# Altium PCB EBAZ4205扩展.PcbDoc (part 1 of 3)
Units mm, origin at the board's own origin, x right, y up, seen from the top; angles counter-clockwise.
Board outline 49.66 x 100.01 mm, 4 copper layers (Top Layer, Power1, Power2, Bottom Layer), stack 0.567 mm thick; 110 components, 105 nets, 505 pads, 287 vias.
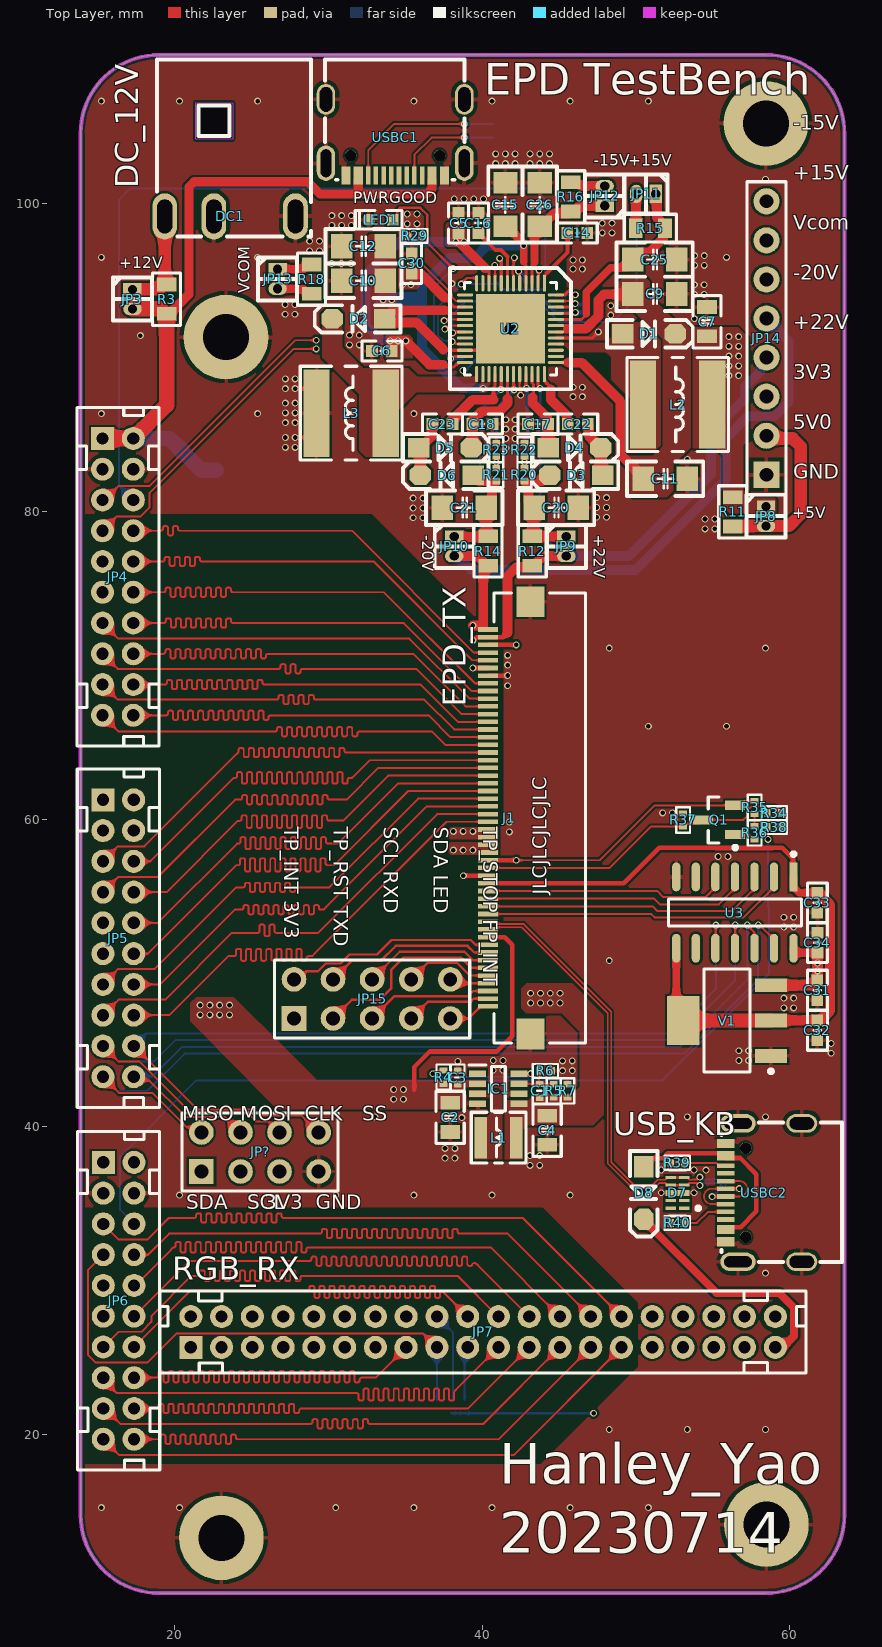
[diagram p0: Top Layer view]
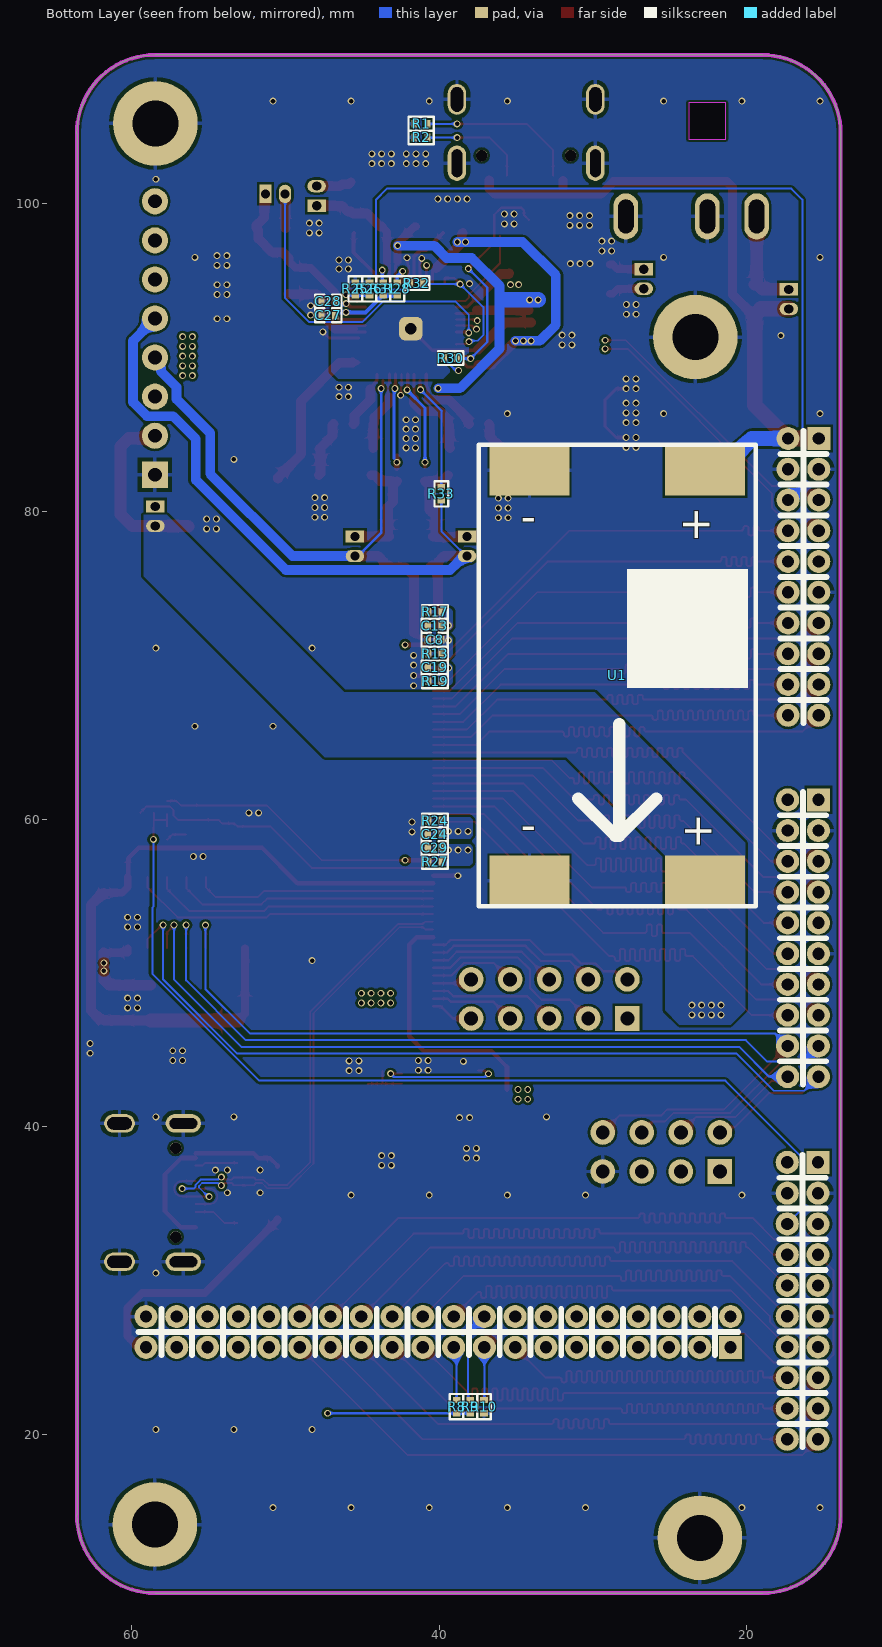
[diagram p1: Bottom Layer view, seen from below]
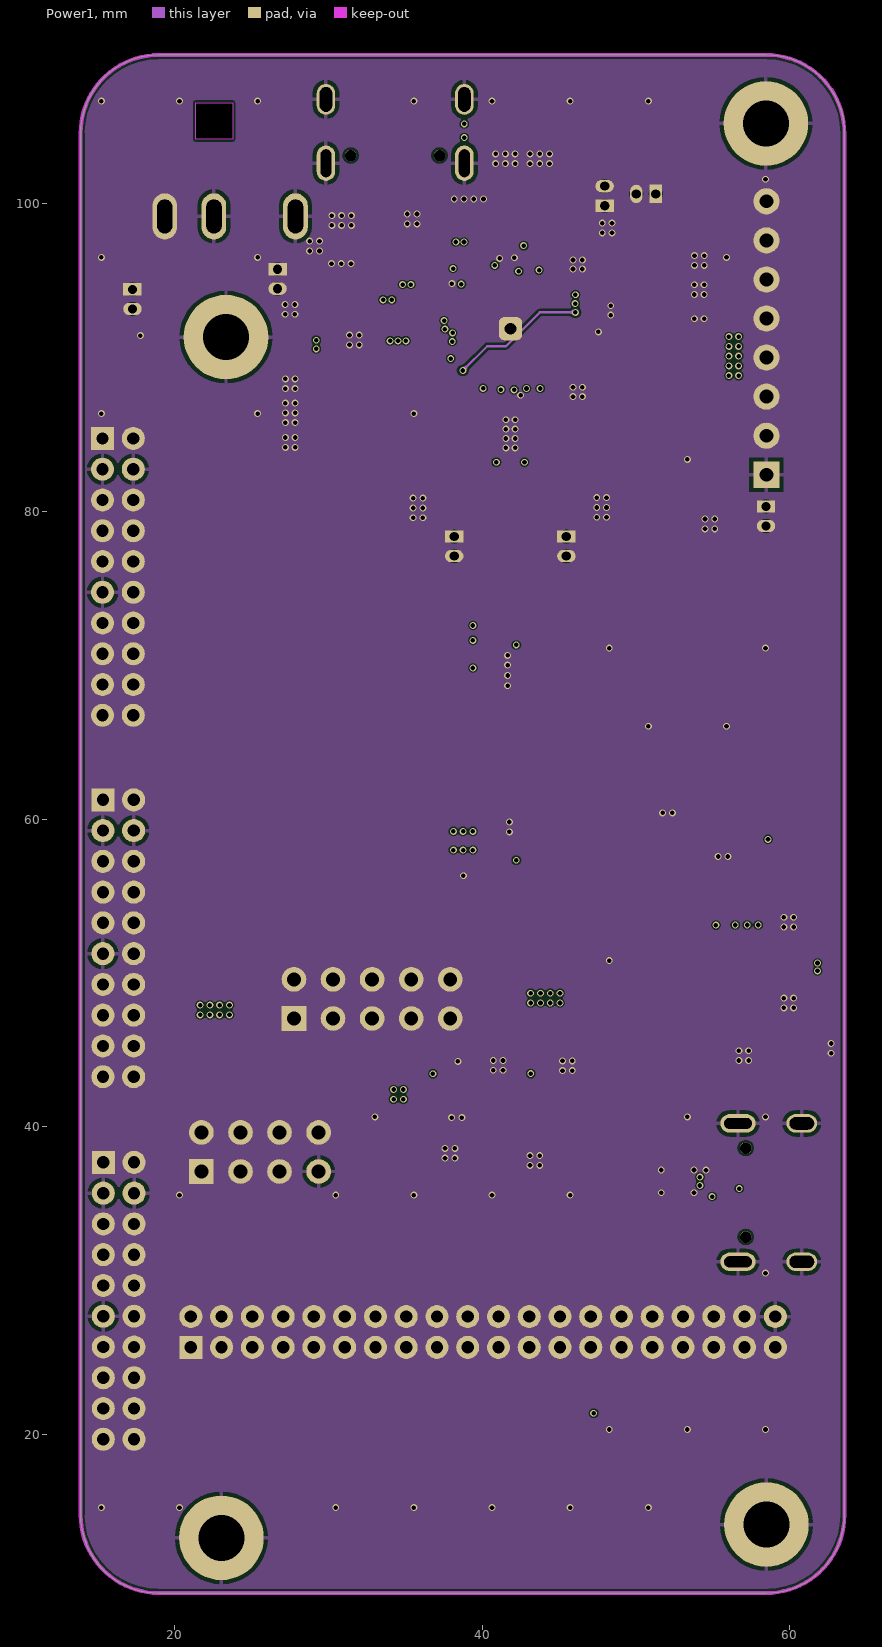
[diagram p2: Power1]
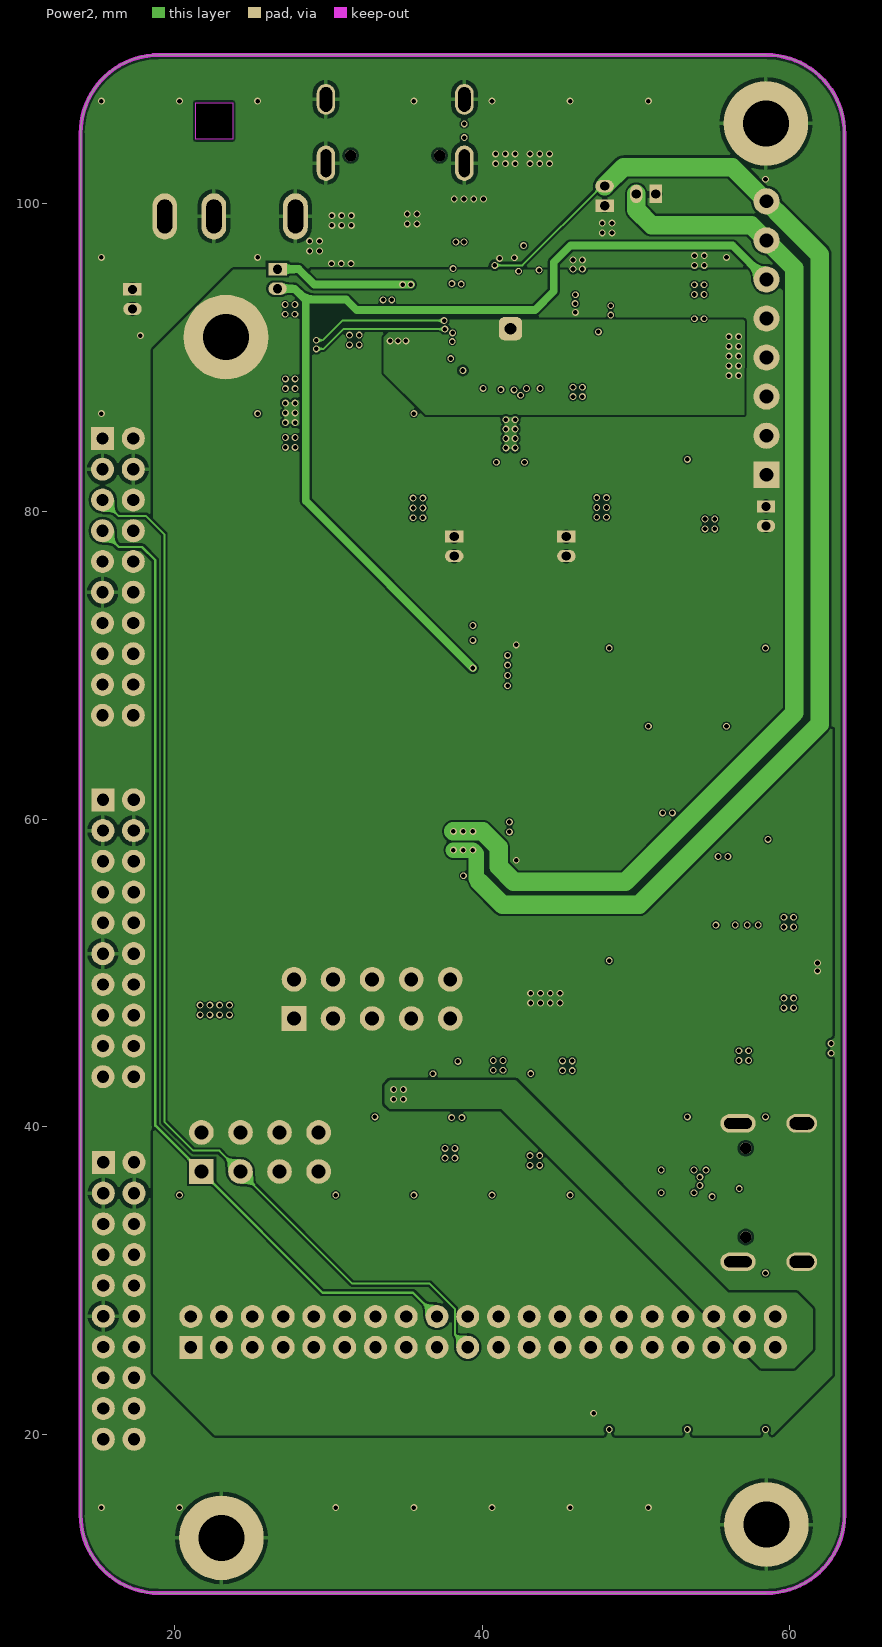
[diagram p3: Power2]

## Layer stack, top to bottom
Top Solder: solder mask 0.0102, Solder Resist, Dk 3.5
Top Layer: signal copper 0.035
Dielectric 2: prepreg 0.0711, PP-006, Dk 4.1
Power1: signal copper 0.0175
Dielectric 1: dielectric 0.32, FR-4, Dk 4.8
Power2: signal copper 0.0175
Dielectric 3: prepreg 0.0711, PP-006, Dk 4.1
Bottom Layer: signal copper 0.035
Bottom Solder: solder mask 0.0102, Solder Resist, Dk 3.5

## Board outline
13.892,14.762 13.892,104.602 cw(c18.972,104.602) 18.972,109.682 58.465,109.682 58.471,109.688 cw(c58.471,104.608) 63.551,104.572 63.541,104.57 63.541,14.767 63.55,14.761 cw(c58.47,14.761) 58.47,9.681 58.456,9.682 18.972,9.682 cw(c18.972,14.762)

## Design rules (kind name [scope] priority, off if disabled: settings)
Clearance Polygon [InPolygon] p1: gap=0.152 ignorepadtopadclearanceinfootprint=TRUE
Clearance [All] p2: gap=0.1 ignorepadtopadclearanceinfootprint=TRUE
ComponentClearance [All] p1: gap=0 collisioncheckmode=3 verticalgap=2540 showdistances=FALSE donotcheckwithout3dbody=TRUE
DiffPairsRouting DiffPair_USB_100RDiffPairsRouting [InDifferentialPair ('HUB')] p1: maxlimit=0.102 minlimit=0.102 mostfreqgap=0.102 toplayer_minwidth=0.117 toplayer_maxwidth=0.117 toplayer_prefwidth=0.117 midlayer1_minwidth=0.117 midlayer1_maxwidth=0.117 midlayer1_prefwidth=0.117 midlayer2_minwidth=0.117 midlayer2_maxwidth=0.117 midlayer2_prefwidth=0.117 bottomlayer_minwidth=0.117 bottomlayer_maxwidth=0.117 bottomlayer_prefwidth=0.117 maxuncoupledlength=12.7
DiffPairsRouting [All] p2: maxlimit=0.102 minlimit=0.089 mostfreqgap=0.102 toplayer_minwidth=0.089 toplayer_maxwidth=0.126 toplayer_prefwidth=0.116 midlayer1_minwidth=0.089 midlayer1_maxwidth=0.126 midlayer1_prefwidth=0.116 midlayer2_minwidth=0.089 midlayer2_maxwidth=0.126 midlayer2_prefwidth=0.116 bottomlayer_minwidth=0.089 bottomlayer_maxwidth=0.126 bottomlayer_prefwidth=0.116 maxuncoupledlength=12.7
HoleSize [All] p1: absolutevalues=TRUE maxlimit=10 minlimit=0.025 maxpercent=80.000 minpercent=20.000
HoleToHoleClearance [All] p1: gap=0.127 allowstackedmicrovias=TRUE
MatchedLengths DiffPair_USB_100RMatchedLengths [InDifferentialPair ('HUB')] p1: tolerance=25.4 checknetsindiffpair=FALSE checkdiffpairvsdiffpair=TRUE checkxsignals=TRUE checkothers=TRUE usedelayunits=TRUE delaytolerance=100.000000
MatchedLengths DiffPair_MIPIMatchedLengths [InDifferentialPair ('LP_LANE1') Or InDifferentialPair ('LP_CLK') Or InDifferentialPair ('LP_LANE0')] p2: tolerance=1 checknetsindiffpair=FALSE checkdiffpairvsdiffpair=TRUE checkxsignals=TRUE checkothers=TRUE usedelayunits=TRUE delaytolerance=100.000000
MatchedLengths DiffPair_MIPIMatchedLengths_1 [InDifferentialPair ('LP_LANE1') Or InDifferentialPair ('LP_LANE0') Or InDifferentialPair ('LP_CLK')] p3: tolerance=25.4 checknetsindiffpair=FALSE checkdiffpairvsdiffpair=TRUE checkxsignals=TRUE checkothers=TRUE
MatchedLengths DiffPair_MIPIMatchedLengths_2 [InDifferentialPair ('LP_LANE1') Or InDifferentialPair ('LP_CLK') Or InDifferentialPair ('LP_LANE0')] p4: tolerance=25.4 checknetsindiffpair=FALSE checkdiffpairvsdiffpair=TRUE checkxsignals=TRUE checkothers=TRUE usedelayunits=TRUE delaytolerance=100.000000
MinimumSolderMaskSliver [All] p1: minsoldermaskwidth=0
PlaneClearance [All] p1: clearance=0.254
PlaneConnect [All] p1: planeconnectstyle=Direct reliefexpansion=0.254 reliefentries=4 reliefconductorwidth=0.127 reliefairgap=0.127
PolygonConnect PolygonConnect_GND [IsPad vs InNet('GND')] p1: thpad.connectstyle=Relief thpad.reliefconductorwidth=0.254 thpad.reliefentries=4 thpad.polygonreliefangle="90 Angle" thpad.airgapwidth=0.254 smdpad.connectstyle=Relief smdpad.reliefconductorwidth=0.254 smdpad.reliefentries=4 smdpad.polygonreliefangle="90 Angle" smdpad.airgapwidth=0.127 via.connectstyle=Direct via.reliefconductorwidth=0.254 via.reliefentries=4 via.polygonreliefangle="90 Angle" via.airgapwidth=0.254
PolygonConnect [All] p2: connectstyle=Direct reliefconductorwidth=0.254 reliefentries=4 polygonreliefangle="90 Angle" airgapwidth=0.254
RoutingVias [All] p1: holewidth=0.3 width=0.45 viastyle="Through Hole" minholewidth=0.3 minwidth=0.45 maxholewidth=10 maxwidth=10
SilkToSilkClearance [All] p1: silktosilkclearance=-1
SilkToSolderMaskClearance [IsPad] p1: minsilkscreentomaskgap=0 clearancetoexposedcopper=TRUE
SolderMaskExpansion [All] p1: expansion=0 istentingtop=FALSE
Width [All] p1: maxlimit=2.54 minlimit=0.089 preferedwidth=0.127
21 further rules are at their usual default settings.

## Classes and differential pairs
component class EBAZ4205扩展_RGB_RX: JP7 R10
component class EBAZ4205扩展_EPD_TX: C31 C32 C33 C34 D7 D8 J1 JP15 Q1 R34 R35 R36 R37 R38 R39 R40 U3 USBC2 V1
component class EBAZ4205扩展_连接: C1 C2 C3 C4 DC1 IC1 JP3 JP4 JP5 JP6 JP? L1 R1 R2 R3 R4 R5 R6 R7 R8 R9 U1 USBC1
component class EBAZ4205扩展_TPS65185: C5 C6 C7 C8 C9 C10 C11 C12 C13 C14 C15 C16 C17 C18 C19 C20 C21 C22 C23 C24 C25 C26 C27 C28 C29 C30 D1 D2 D3 D4 D5 D6 JP8 JP9 JP10 JP11 JP12 JP13 JP14 L2 L3 LED1 R11 R12 R13 R14 R15 R16 R17 R18 R19 R20 R21 R22 R23 R24 R25 R26 R27 R28 R29 R30 R31 R32 R33 U2
differential pair HUB: +HUB_P -HUB_N

## Components (designator, comment, footprint, x,y, rotation, side; value= is the part's Value field where it differs from the comment)
C1 "15pF" C0402_L 43.733,42.331 r90 top
C2 "10uF" C0805_L 37.915,40.608 r90 top
C3 "0.1uF" C0402_L 38.402,43.198 r270 top
C4 "22uF" C0805_L 44.226,39.773 r90 top
C5 "10uF/16V" C0603_L 38.461,98.758 r270 top
C6 "10uF/16V" C0603_L 33.478,90.437 r180 top
C7 "10uF/25V" C0805_L 54.616,92.342 r270 top
C8 "1uF/25V" C0402_L 40.293,71.668 r180 bottom
C9 "4.7uF/25V" C1206_L 51.237,94.145 r180 top
C10 "4.7uF/25V" C1206_L 32.303,95.009 r180 top
C11 "4.7uF/25V" C1206_L 51.923,82.131 r180 top
C12 "4.7uF/25V" C1206_L 32.303,97.244 r180 top
C13 "1uF/25V" C0402_L 40.293,72.572 r180 bottom
C14 "4.7uF/10V" C0603_L 46.183,98.108 r180 top
C15 "4.7uF/25V" C1206_L 41.509,99.933 r90 top
C16 "4.7uF/10V" C0603_L 39.757,98.758 r270 top
C17 "100nF/50V" C0603_L 43.625,85.687 r0 top
C18 "100nF/50V" C0603_L 40.014,85.687 r0 top
C19 "0.1uF/25V" C0402_L 40.293,69.861 r180 bottom
C20 "4.7uF/25V" C1206_L 44.832,80.252 r180 top
C21 "4.7uF/25V" C1206_L 38.857,80.252 r180 top
C22 "10nF/50V" C0603_L 46.216,85.687 r180 top
C23 "10nF/50V" C0603_L 37.413,85.687 r180 top
C24 "0.1uF/25V" C0402_L 40.293,59.017 r180 bottom
C25 "4.7uF/25V" C1206_L 51.237,96.381 r180 top
C26 "4.7uF/25V" C1206_L 43.744,99.933 r90 top
C27 "10uF/16V" C0402_L 47.199,92.748 r0 bottom
C28 "10uF/16V" C0402_L 47.199,93.663 r0 bottom
C29 "0.1uF/25V" C0402_L 40.293,58.124 r180 bottom
C30 "4.7uF/10V" C0603_L 35.413,96.127 r90 top
C31 "22uF" C0603_L 61.791,48.878 r90 top
C32 "22uF" C0603_L 61.79,46.277 r90 top
C33 "470nF" C0603_L 61.787,54.559 r90 top
C34 "470nF" C0603_L 61.799,51.97 r90 top
D1 "B5819W" SOD-123 50.844,91.555 r0 top
D2 "B5819W" SOD-123 31.959,92.52 r180 top
D3 "B5819W" SOD-123 46.112,82.36 r180 top
D4 "B5819W" SOD-123 45.998,84.138 r0 top
D5 "B5819W" SOD-123 37.578,84.138 r0 top
D6 "B5819W" SOD-123 37.692,82.36 r180 top
D7 "RCLAMP0524PATCT" FP-SLP2510P8-MFG 52.692,35.701 r180 top
D8 "TVS" SOD-123 50.508,35.701 r270 top
DC1 "DC-044-20A" DC-IN-TH_DC-044-20A 23.622,103.581 r180 top locked
IC1 "MP2143DJ-LF-Z" SOP65P280X100-8N 41.05,42.473 r0 top
J1 "687150149022" 687150149022 43.742,60.08 r90 top
JP3 "HDR-1X2" HDR1.27-LI-2P 17.263,93.806 r270 top
JP4 "Header 2X10" PHD2.0-LI-2x10P 16.316,75.751 r270 top locked
JP5 "Header 2X10" PHD2.0-LI-2x10P 16.341,52.256 r270 top locked
JP6 "Header 2X10" PHD2.0-LI-2x10P 16.366,28.684 r270 top locked
JP7 "Header 2X11" PHD2.0-LI-2x20P 40.057,26.661 r0 top locked
JP8 "HDR-1X2" HDR1.27-LI-2P 58.451,79.696 r270 top
JP9 "HDR-1X2" HDR1.27-LI-2P 45.472,77.737 r270 top
JP10 "HDR-1X2" HDR1.27-LI-2P 38.182,77.737 r270 top
JP11 "HDR-1X2" HDR1.27-LI-2P 50.653,100.648 r180 top
JP12 "HDR-1X2" HDR1.27-LI-2P 47.961,100.521 r90 top
JP13 "HDR-1X2" HDR1.27-LI-2P 26.695,95.123 r270 top
JP14 "HDR-1X8" HDR2.54-LI-8P 58.477,91.278 r90 top locked
JP15 "Header 5X2" HDR2.54-LI-2x5P 32.842,48.311 r0 top locked
JP? "Header 4X2" HDR2.54-LI-2x4P 25.554,38.36 r0 top
L1 "1.5uH" NR3010 41.065,39.294 r0 top
L2 "2.2uH" NR6020 52.711,86.957 r0 top
L3 "4.7uH" NR6020 31.476,86.398 r180 top
LED1 "红色" LED0603_B 33.399,98.973 r180 top
Q1 "AO3401" SOT23-3N 55.394,59.949 r180 top
R1 "5.1K" R0402_L 41.17,105.211 r0 bottom
R2 "5.1K" R0402_L 41.17,104.322 r180 bottom
R3 "10mR" R0805-HP_L 19.482,93.806 r270 top
R4 "4.7K" R0402_L 37.484,43.224 r270 top
R5 "45.3K" R0402_L 44.655,42.339 r90 top
R6 "10K" R0402_L 44.106,43.633 r180 top
R7 "10K" R0402_L 45.544,42.339 r270 top
R8 "1K" R0402_L 38.862,21.8 r270 bottom
R9 "1K" R0402_L 37.973,21.8 r270 bottom
R10 "4.7K" R0402_L 37.084,21.8 r90 bottom
R11 "10mR" R0805-HP_L 56.292,79.975 r270 top
R12 "10mR" R0805-HP_L 43.262,77.432 r270 top
R13 "47K" R0402_L 40.268,70.765 r0 bottom
R14 "10mR" R0805-HP_L 40.392,77.432 r270 top
R15 "10mR" R0805-HP_L 50.933,98.413 r180 top
R16 "10mR" R0805-HP_L 45.751,100.455 r90 top
R17 "47K" R0402_L 40.268,73.476 r0 bottom
R18 "10mR" R0805-HP_L 28.905,95.113 r270 top
R19 "100K" R0402_L 40.268,68.957 r0 bottom
R20 "1M/1%" R0402_L 42.747,82.392 r90 top
R21 "1M/1%" R0402_L 40.918,82.392 r90 top
R22 "47.5K/1%" R0402_L 42.747,84.011 r90 top
R23 "52.3K/1%" R0402_L 40.918,84.011 r90 top
R24 "47K" R0402_L 40.268,59.91 r0 bottom
R25 "NTC" R0402_L 45.446,94.476 r90 bottom
R26 "43K/1%" R0402_L 44.532,94.476 r90 bottom
R27 "47K" R0402_L 40.268,57.231 r0 bottom
R28 "1K" R0402_L 42.728,94.476 r270 bottom
R29 "0R" R0402_L 35.618,97.917 r180 top
R30 "10K" R0402_L 39.249,89.98 r0 bottom
R31 "10K" R0402_L 43.642,94.476 r270 bottom
R32 "4.7K" R0402_L 41.458,94.857 r0 bottom
R33 "0R" R0402_L 39.853,81.153 r270 bottom
R34 "0R" R0402_L 58.984,60.394 r0 top
R35 "100K" R0402_L 57.706,60.762 r270 top
R36 "10K" R0402_L 57.706,59.111 r90 top
R37 "10K" R0402_L 53.058,59.949 r90 top
R38 "4.7K" R0402_L 58.982,59.487 r180 top
R39 "5.1K" R0402_L 52.682,37.657 r180 top
R40 "5.1K" R0402_L 52.682,33.746 r0 top
U1 "MINI560" MINI560 28.423,69.342 r270 bottom
U2 "TPS65185_RSLR" TPS65185_RSLR 41.839,91.885 r270 top
U3 "TXS0104ED" FP-D0014A-IPC_C 56.432,53.927 r270 top
USBC1 "TYPE-C 2.0 -16P" USB-C-SMD_16P 34.341,104.318 r0 top
USBC2 "TYPE-C 2.0 -16P" USB-C-SMD_16P 58.304,35.72 r270 top locked
V1 "LD1117-3V3" SOT223_L 55.92,46.904 r180 top

## Footprints (in the part's own frame and the unit in brackets; to place one, negate y for a bottom-side part, rotate by r counter-clockwise, add the part's x,y. Pads: shape width x height; smd on the part's side, far side on the other; paste and mask are expansions set on the pad)
687150149022 [mm] "0.50mm SMT ZIF Horizontal Hinge Type Bottom Contact, 50p"
  rect 0.3x1.3 smd: 1(-12.25,3.35) 2(-11.75,3.35) 3(-11.25,3.35) 4(-10.75,3.35) 5(-10.25,3.35) 6(-9.75,3.35) 7(-9.25,3.35) 8(-8.75,3.35) 9(-8.25,3.35) 10(-7.75,3.35) 11(-7.25,3.35) 12(-6.75,3.35) 13(-6.25,3.35) 14(-5.75,3.35) 15(-5.25,3.35) 16(-4.75,3.35) 17(-4.25,3.35) 18(-3.75,3.35) 19(-3.25,3.35) 20(-2.75,3.35) 21(-2.25,3.35) 22(-1.75,3.35) 23(-1.25,3.35) 24(-0.75,3.35) 25(-0.25,3.35) 26(0.25,3.35) 27(0.75,3.35) 28(1.25,3.35) 29(1.75,3.35) 30(2.25,3.35) 31(2.75,3.35) 32(3.25,3.35) 33(3.75,3.35) 34(4.25,3.35) 35(4.75,3.35) 36(5.25,3.35) 37(5.75,3.35) 38(6.25,3.35) 39(6.75,3.35) 40(7.25,3.35) 41(7.75,3.35) 42(8.25,3.35) 43(8.75,3.35) 44(9.25,3.35) 45(9.75,3.35) 46(10.25,3.35) 47(10.75,3.35) 48(11.25,3.35) 49(11.75,3.35) 50(12.25,3.35)
  rect 2x1.8 smd: MP1(-14.05,0.6) MP2(14.05,0.6)
  silkscreen extent -14.62,-2.98 14.63,2.98, body extent -14.55,-2.9 14.55,3.6, height 2.25
C0402_L [mm] "无极性贴片电容"
  rect 0.4x0.5 smd: 1(-0.45,0) 2(0.45,0)
  silkscreen extent -0.85,-0.45 0.85,0.45, body extent -0.5,-0.26 0.5,0.26, height 0.54
C0603_L [mil] "无极性贴片电容"
  rect 30x30 smd: 1(-25.59,0) 2(25.59,0)
  silkscreen extent -51,-26 51,26, body extent -31,-16 32,16, height 33
C0805_L [mil] "无极性贴片电容"
  rect 35x50 smd: 1(-37.4,0) 2(37.4,0)
  silkscreen extent -67,-36 67,36, body extent -39,-24 39,24, height 22
C1206_L [mil] "无极性贴片电容"
  rect 55x62 smd: 1(-55.12,0) 2(57.09,0)
  silkscreen extent -96,-44 98,44, body extent -63,-32 63,32, height 50
DC-IN-TH_DC-044-20A [mm]
  oval 1.6x3 hole 1 slot 2.2 at 90 deg: 1(4.263,4.391) 2(-4.236,4.391) 3(1.064,4.391)
  Keep-Out Layer board cut-out: 2.244,-3.009 -0.156,-3.009 -0.156,-0.609 2.244,-0.609
  silkscreen extent -5.24,-5.81 4.76,5.69
FP-D0014A-IPC_C [mm]
  rect 1.874x0.542 smd paste+0 mask+0: 1(-2.316,3.81)
  rrect100% 1.874x0.542 smd paste+0 mask+0: 2(-2.316,2.54) 3(-2.316,1.27) 4(-2.316,0) 5(-2.316,-1.27) 6(-2.316,-2.54) 7(-2.316,-3.81) 8(2.316,-3.81) 9(2.316,-2.54) 10(2.316,-1.27) 11(2.316,0) 12(2.316,1.27) 13(2.316,2.54) 14(2.316,3.81)
  silkscreen extent -3.92,-4.33 0.88,4.33, body extent -3.35,-4.43 3.35,4.43, height 0.25
FP-SLP2510P8-MFG [mm]
  rect 0.675x0.2 smd paste+0 mask+0: 1(-0.437,1) 2(-0.437,0.5) 4(-0.437,-0.5) 5(-0.437,-1) 6(0.437,-1) 7(0.437,-0.5) 9(0.437,0.5) 10(0.437,1)
  rect 1.55x0.4 smd paste+0 mask+0: 3-8(0,0)
  silkscreen extent -1.48,-1.5 0.55,1.5, body extent -0.87,-1.4 0.87,1.4, height 0.25
HDR1.27-LI-2P [mm] "直插，脚距：1.27mm 封装库来自淘宝卖家 ID：黄晶宝石"
  rect 0.8x1.2 hole 0.6: 1(-0.635,0)
  oval 0.8x1.2 hole 0.6: 2(0.635,0)
  silkscreen extent -1.4,-1.27 1.4,1.27, body extent -1.27,-1.2 1.27,1.2, height 4.48
HDR2.54-LI-2x4P [mm] "双排排针，4x2脚"
  rect 1.6x1.6 hole 0.9: 1(-3.81,-1.27)
  round 1.6 hole 0.9: 2(-3.81,1.27) 3(-1.27,-1.27) 4(-1.27,1.27) 5(1.27,-1.27) 6(1.27,1.27) 7(3.81,-1.27) 8(3.81,1.27)
  silkscreen extent -5.08,-2.54 5.08,2.54, body extent -5.08,-2.54 5.08,2.54, height 8.5